# Altium PCB PCB2.PcbDoc (part 7 of 16) (continued)
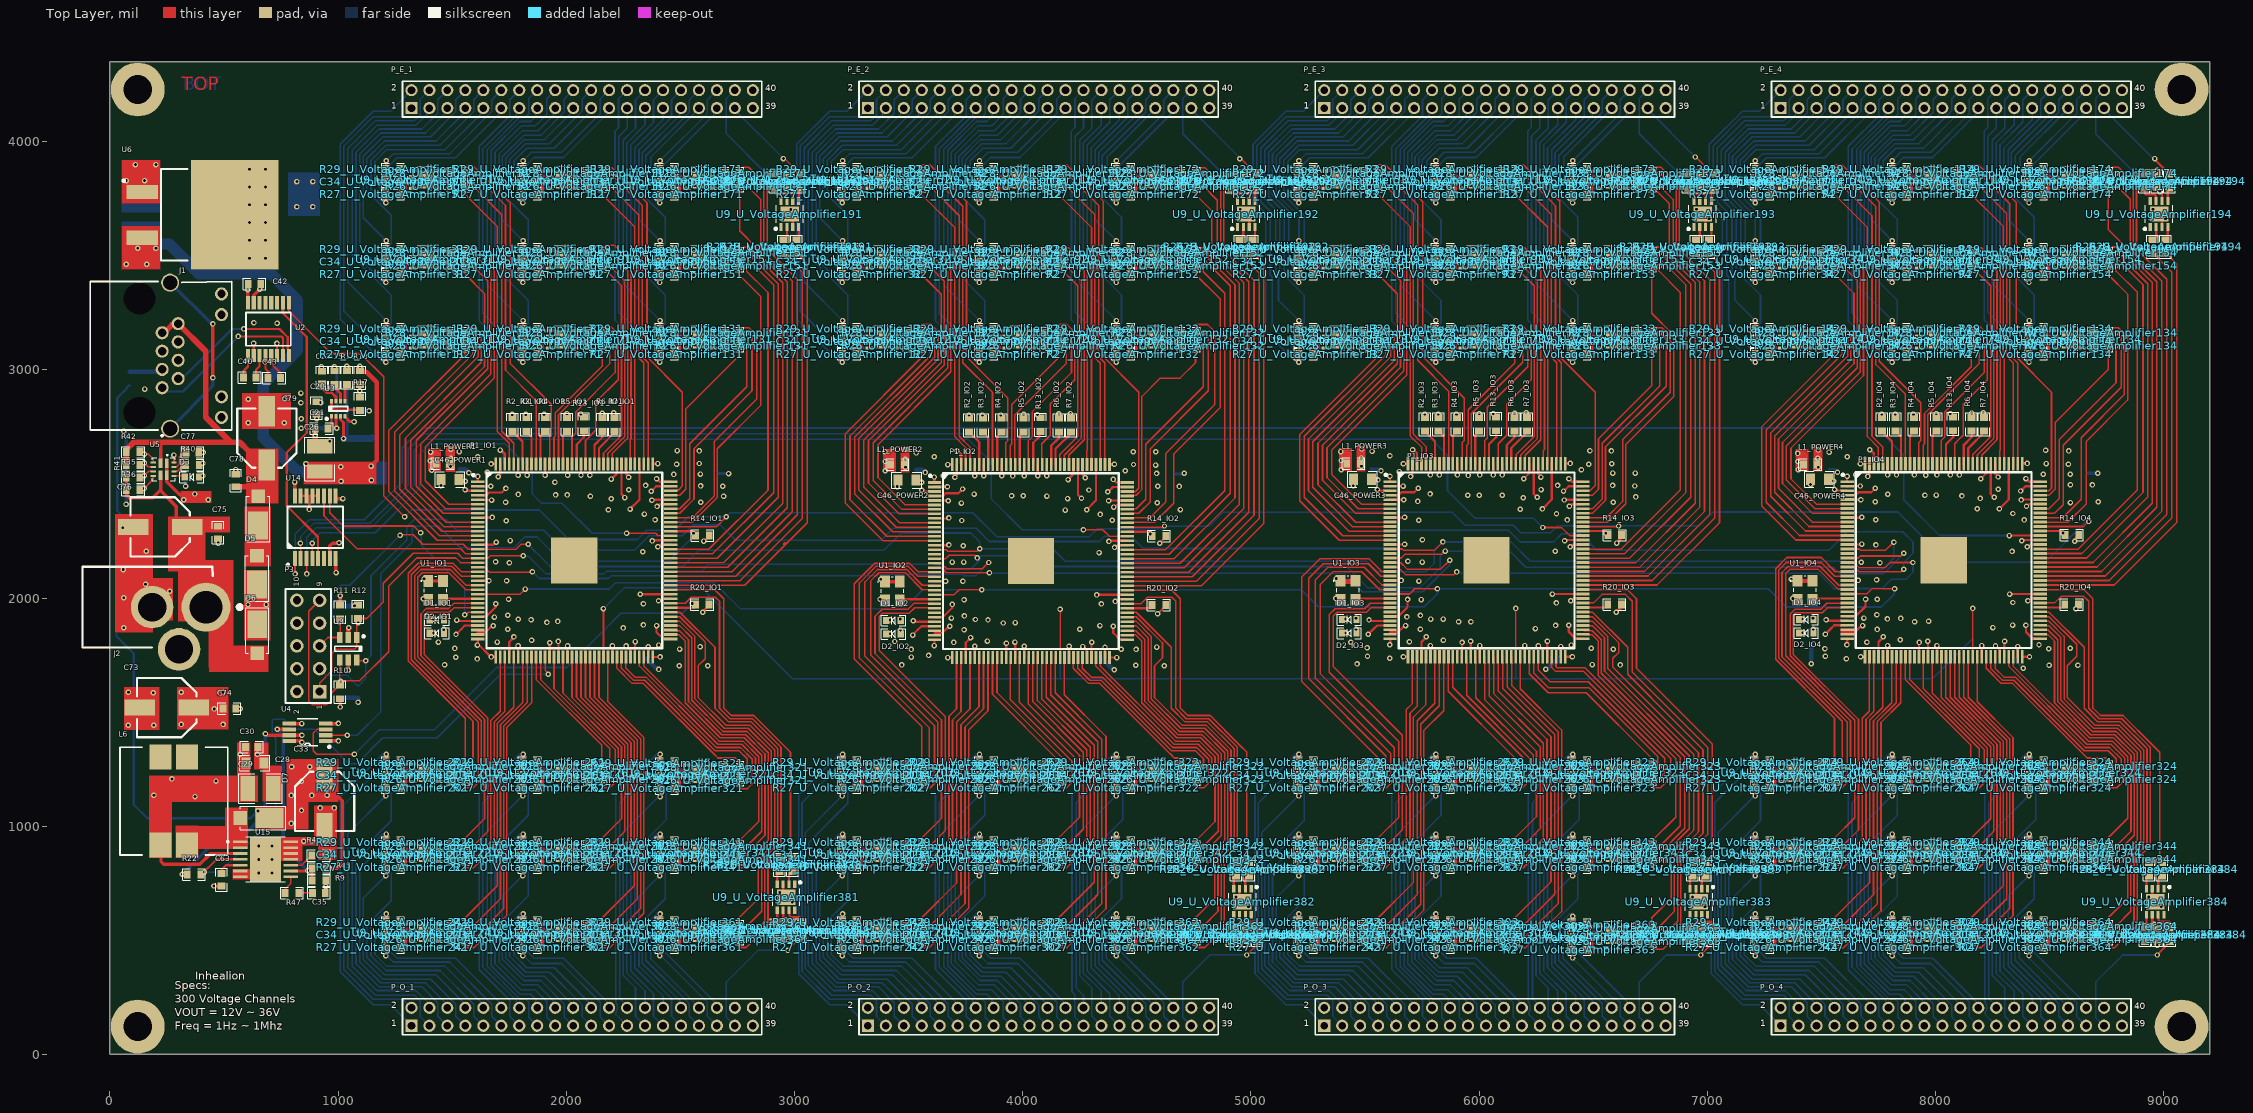
[diagram p0: Top Layer view]
## Nets (pads, with @x,y where several pads share a name; then routed paths per layer and width w, separated by ;. In a path a pad name is that pad's centre, name@x,y a point inside that pad or via, vN(x,y) a via of type N, cw(c..) or ccw(c..) an arc to the next point about the centre after c; other vN are vias at no path point) (continued)
  Bottom Layer w10: U9_U_VoltageAmplifier182.2@4641.26,3846.77 4684.18,3846.77 4697.09,3859.68 R26_U_VoltageAmplifier182.2@4697.09,3862.18
NetR26_U_VoltageAmplifier183_2: R26_U_VoltageAmplifier183.2 U9_U_VoltageAmplifier183.2 | length 63.7
  Bottom Layer w10: U9_U_VoltageAmplifier183.2@6641.26,3846.77 6684.18,3846.77 6697.09,3859.68 R26_U_VoltageAmplifier183.2@6697.09,3862.18
NetR26_U_VoltageAmplifier184_2: R26_U_VoltageAmplifier184.2 U9_U_VoltageAmplifier184.2 | length 63.7
  Bottom Layer w10: U9_U_VoltageAmplifier184.2@8641.26,3846.77 8684.18,3846.77 8697.09,3859.68 R26_U_VoltageAmplifier184.2@8697.09,3862.18
NetR26_U_VoltageAmplifier191_2: R26_U_VoltageAmplifier191.2 U9_U_VoltageAmplifier191.2 | length 63.9
  Top Layer w10: R26_U_VoltageAmplifier191.2@2950.85,3569.76 2953.35,3569.76 2966.85,3583.26 U9_U_VoltageAmplifier191.2@2966.85,3625.59
NetR26_U_VoltageAmplifier192_2: R26_U_VoltageAmplifier192.2 U9_U_VoltageAmplifier192.2 | length 63.9
  Top Layer w10: R26_U_VoltageAmplifier192.2@4950.85,3569.76 4953.35,3569.76 4966.85,3583.26 U9_U_VoltageAmplifier192.2@4966.85,3625.59
NetR26_U_VoltageAmplifier193_2: R26_U_VoltageAmplifier193.2 U9_U_VoltageAmplifier193.2 | length 63.9
  Top Layer w10: R26_U_VoltageAmplifier193.2@6950.85,3569.76 6953.35,3569.76 6966.85,3583.26 U9_U_VoltageAmplifier193.2@6966.85,3625.59
NetR26_U_VoltageAmplifier194_2: R26_U_VoltageAmplifier194.2 U9_U_VoltageAmplifier194.2 | length 63.9
  Top Layer w10: R26_U_VoltageAmplifier194.2@8950.85,3569.76 8953.35,3569.76 8966.85,3583.26 U9_U_VoltageAmplifier194.2@8966.85,3625.59
NetR26_U_VoltageAmplifier201_2: R26_U_VoltageAmplifier201.2 U9_U_VoltageAmplifier201.2 | length 63.9
  Top Layer w10: U9_U_VoltageAmplifier201.2@1441.26,1221.18 1483.59,1221.18 1497.09,1207.68 R26_U_VoltageAmplifier201.2@1497.09,1205.18
NetR26_U_VoltageAmplifier202_2: R26_U_VoltageAmplifier202.2 U9_U_VoltageAmplifier202.2 | length 63.9
  Top Layer w10: U9_U_VoltageAmplifier202.2@3441.26,1221.18 3483.59,1221.18 3497.09,1207.68 R26_U_VoltageAmplifier202.2@3497.09,1205.18
NetR26_U_VoltageAmplifier203_2: R26_U_VoltageAmplifier203.2 U9_U_VoltageAmplifier203.2 | length 63.9
  Top Layer w10: U9_U_VoltageAmplifier203.2@5441.26,1221.18 5483.59,1221.18 5497.09,1207.68 R26_U_VoltageAmplifier203.2@5497.09,1205.18
NetR26_U_VoltageAmplifier204_2: R26_U_VoltageAmplifier204.2 U9_U_VoltageAmplifier204.2 | length 63.9
  Top Layer w10: U9_U_VoltageAmplifier204.2@7441.26,1221.18 7483.59,1221.18 7497.09,1207.68 R26_U_VoltageAmplifier204.2@7497.09,1205.18
NetR26_U_VoltageAmplifier211_2: R26_U_VoltageAmplifier211.2 U9_U_VoltageAmplifier211.2 | length 63.7
  Bottom Layer w10: U9_U_VoltageAmplifier211.2@1441.26,1246.77 1484.18,1246.77 1497.09,1259.68 R26_U_VoltageAmplifier211.2@1497.09,1262.18
NetR26_U_VoltageAmplifier212_2: R26_U_VoltageAmplifier212.2 U9_U_VoltageAmplifier212.2 | length 63.7
  Bottom Layer w10: U9_U_VoltageAmplifier212.2@3441.26,1246.77 3484.18,1246.77 3497.09,1259.68 R26_U_VoltageAmplifier212.2@3497.09,1262.18
NetR26_U_VoltageAmplifier213_2: R26_U_VoltageAmplifier213.2 U9_U_VoltageAmplifier213.2 | length 63.7
  Bottom Layer w10: U9_U_VoltageAmplifier213.2@5441.26,1246.77 5484.18,1246.77 5497.09,1259.68 R26_U_VoltageAmplifier213.2@5497.09,1262.18
NetR26_U_VoltageAmplifier214_2: R26_U_VoltageAmplifier214.2 U9_U_VoltageAmplifier214.2 | length 63.7
  Bottom Layer w10: U9_U_VoltageAmplifier214.2@7441.26,1246.77 7484.18,1246.77 7497.09,1259.68 R26_U_VoltageAmplifier214.2@7497.09,1262.18
NetR26_U_VoltageAmplifier221_2: R26_U_VoltageAmplifier221.2 U9_U_VoltageAmplifier221.2 | length 63.9
  Top Layer w10: U9_U_VoltageAmplifier221.2@1441.26,871.18 1483.59,871.18 1497.09,857.68 R26_U_VoltageAmplifier221.2@1497.09,855.18
NetR26_U_VoltageAmplifier222_2: R26_U_VoltageAmplifier222.2 U9_U_VoltageAmplifier222.2 | length 63.9
  Top Layer w10: U9_U_VoltageAmplifier222.2@3441.26,871.18 3483.59,871.18 3497.09,857.68 R26_U_VoltageAmplifier222.2@3497.09,855.18
NetR26_U_VoltageAmplifier223_2: R26_U_VoltageAmplifier223.2 U9_U_VoltageAmplifier223.2 | length 63.9
  Top Layer w10: U9_U_VoltageAmplifier223.2@5441.26,871.18 5483.59,871.18 5497.09,857.68 R26_U_VoltageAmplifier223.2@5497.09,855.18
NetR26_U_VoltageAmplifier224_2: R26_U_VoltageAmplifier224.2 U9_U_VoltageAmplifier224.2 | length 63.9
  Top Layer w10: U9_U_VoltageAmplifier224.2@7441.26,871.18 7483.59,871.18 7497.09,857.68 R26_U_VoltageAmplifier224.2@7497.09,855.18
NetR26_U_VoltageAmplifier231_2: R26_U_VoltageAmplifier231.2 U9_U_VoltageAmplifier231.2 | length 63.7
  Bottom Layer w10: U9_U_VoltageAmplifier231.2@1441.26,896.77 1484.18,896.77 1497.09,909.68 R26_U_VoltageAmplifier231.2@1497.09,912.18
NetR26_U_VoltageAmplifier232_2: R26_U_VoltageAmplifier232.2 U9_U_VoltageAmplifier232.2 | length 63.7
  Bottom Layer w10: U9_U_VoltageAmplifier232.2@3441.26,896.77 3484.18,896.77 3497.09,909.68 R26_U_VoltageAmplifier232.2@3497.09,912.18
NetR26_U_VoltageAmplifier233_2: R26_U_VoltageAmplifier233.2 U9_U_VoltageAmplifier233.2 | length 63.7
  Bottom Layer w10: U9_U_VoltageAmplifier233.2@5441.26,896.77 5484.18,896.77 5497.09,909.68 R26_U_VoltageAmplifier233.2@5497.09,912.18
NetR26_U_VoltageAmplifier234_2: R26_U_VoltageAmplifier234.2 U9_U_VoltageAmplifier234.2 | length 63.7
  Bottom Layer w10: U9_U_VoltageAmplifier234.2@7441.26,896.77 7484.18,896.77 7497.09,909.68 R26_U_VoltageAmplifier234.2@7497.09,912.18
NetR26_U_VoltageAmplifier241_2: R26_U_VoltageAmplifier241.2 U9_U_VoltageAmplifier241.2 | length 63.9
  Top Layer w10: U9_U_VoltageAmplifier241.2@1441.26,521.18 1483.59,521.18 1497.09,507.68 R26_U_VoltageAmplifier241.2@1497.09,505.18
NetR26_U_VoltageAmplifier242_2: R26_U_VoltageAmplifier242.2 U9_U_VoltageAmplifier242.2 | length 63.9
  Top Layer w10: U9_U_VoltageAmplifier242.2@3441.26,521.18 3483.59,521.18 3497.09,507.68 R26_U_VoltageAmplifier242.2@3497.09,505.18
NetR26_U_VoltageAmplifier243_2: R26_U_VoltageAmplifier243.2 U9_U_VoltageAmplifier243.2 | length 63.9
  Top Layer w10: U9_U_VoltageAmplifier243.2@5441.26,521.18 5483.59,521.18 5497.09,507.68 R26_U_VoltageAmplifier243.2@5497.09,505.18
NetR26_U_VoltageAmplifier244_2: R26_U_VoltageAmplifier244.2 U9_U_VoltageAmplifier244.2 | length 63.9
  Top Layer w10: U9_U_VoltageAmplifier244.2@7441.26,521.18 7483.59,521.18 7497.09,507.68 R26_U_VoltageAmplifier244.2@7497.09,505.18
NetR26_U_VoltageAmplifier251_2: R26_U_VoltageAmplifier251.2 U9_U_VoltageAmplifier251.2 | length 63.7
  Bottom Layer w10: U9_U_VoltageAmplifier251.2@1441.26,546.77 1484.18,546.77 1497.09,559.68 R26_U_VoltageAmplifier251.2@1497.09,562.18
NetR26_U_VoltageAmplifier252_2: R26_U_VoltageAmplifier252.2 U9_U_VoltageAmplifier252.2 | length 63.7
  Bottom Layer w10: U9_U_VoltageAmplifier252.2@3441.26,546.77 3484.18,546.77 3497.09,559.68 R26_U_VoltageAmplifier252.2@3497.09,562.18
NetR26_U_VoltageAmplifier253_2: R26_U_VoltageAmplifier253.2 U9_U_VoltageAmplifier253.2 | length 63.7
  Bottom Layer w10: U9_U_VoltageAmplifier253.2@5441.26,546.77 5484.18,546.77 5497.09,559.68 R26_U_VoltageAmplifier253.2@5497.09,562.18
NetR26_U_VoltageAmplifier254_2: R26_U_VoltageAmplifier254.2 U9_U_VoltageAmplifier254.2 | length 63.7
  Bottom Layer w10: U9_U_VoltageAmplifier254.2@7441.26,546.77 7484.18,546.77 7497.09,559.68 R26_U_VoltageAmplifier254.2@7497.09,562.18
NetR26_U_VoltageAmplifier261_2: R26_U_VoltageAmplifier261.2 U9_U_VoltageAmplifier261.2 | length 63.9
  Top Layer w10: U9_U_VoltageAmplifier261.2@2041.26,1221.18 2083.59,1221.18 2097.09,1207.68 R26_U_VoltageAmplifier261.2@2097.09,1205.18
NetR26_U_VoltageAmplifier262_2: R26_U_VoltageAmplifier262.2 U9_U_VoltageAmplifier262.2 | length 63.9
  Top Layer w10: U9_U_VoltageAmplifier262.2@4041.26,1221.18 4083.59,1221.18 4097.09,1207.68 R26_U_VoltageAmplifier262.2@4097.09,1205.18
NetR26_U_VoltageAmplifier263_2: R26_U_VoltageAmplifier263.2 U9_U_VoltageAmplifier263.2 | length 63.9
  Top Layer w10: U9_U_VoltageAmplifier263.2@6041.26,1221.18 6083.59,1221.18 6097.09,1207.68 R26_U_VoltageAmplifier263.2@6097.09,1205.18
NetR26_U_VoltageAmplifier264_2: R26_U_VoltageAmplifier264.2 U9_U_VoltageAmplifier264.2 | length 63.9
  Top Layer w10: U9_U_VoltageAmplifier264.2@8041.26,1221.18 8083.59,1221.18 8097.09,1207.68 R26_U_VoltageAmplifier264.2@8097.09,1205.18
NetR26_U_VoltageAmplifier271_2: R26_U_VoltageAmplifier271.2 U9_U_VoltageAmplifier271.2 | length 63.7
  Bottom Layer w10: U9_U_VoltageAmplifier271.2@2041.26,1246.77 2084.18,1246.77 2097.09,1259.68 R26_U_VoltageAmplifier271.2@2097.09,1262.18
NetR26_U_VoltageAmplifier272_2: R26_U_VoltageAmplifier272.2 U9_U_VoltageAmplifier272.2 | length 63.7
  Bottom Layer w10: U9_U_VoltageAmplifier272.2@4041.26,1246.77 4084.18,1246.77 4097.09,1259.68 R26_U_VoltageAmplifier272.2@4097.09,1262.18
NetR26_U_VoltageAmplifier273_2: R26_U_VoltageAmplifier273.2 U9_U_VoltageAmplifier273.2 | length 63.7
  Bottom Layer w10: U9_U_VoltageAmplifier273.2@6041.26,1246.77 6084.18,1246.77 6097.09,1259.68 R26_U_VoltageAmplifier273.2@6097.09,1262.18
NetR26_U_VoltageAmplifier274_2: R26_U_VoltageAmplifier274.2 U9_U_VoltageAmplifier274.2 | length 63.7
  Bottom Layer w10: U9_U_VoltageAmplifier274.2@8041.26,1246.77 8084.18,1246.77 8097.09,1259.68 R26_U_VoltageAmplifier274.2@8097.09,1262.18
NetR26_U_VoltageAmplifier281_2: R26_U_VoltageAmplifier281.2 U9_U_VoltageAmplifier281.2 | length 63.9
  Top Layer w10: U9_U_VoltageAmplifier281.2@2041.26,871.18 2083.59,871.18 2097.09,857.68 R26_U_VoltageAmplifier281.2@2097.09,855.18
NetR26_U_VoltageAmplifier282_2: R26_U_VoltageAmplifier282.2 U9_U_VoltageAmplifier282.2 | length 63.9
  Top Layer w10: U9_U_VoltageAmplifier282.2@4041.26,871.18 4083.59,871.18 4097.09,857.68 R26_U_VoltageAmplifier282.2@4097.09,855.18
NetR26_U_VoltageAmplifier283_2: R26_U_VoltageAmplifier283.2 U9_U_VoltageAmplifier283.2 | length 63.9
  Top Layer w10: U9_U_VoltageAmplifier283.2@6041.26,871.18 6083.59,871.18 6097.09,857.68 R26_U_VoltageAmplifier283.2@6097.09,855.18
NetR26_U_VoltageAmplifier284_2: R26_U_VoltageAmplifier284.2 U9_U_VoltageAmplifier284.2 | length 63.9
  Top Layer w10: U9_U_VoltageAmplifier284.2@8041.26,871.18 8083.59,871.18 8097.09,857.68 R26_U_VoltageAmplifier284.2@8097.09,855.18
NetR26_U_VoltageAmplifier291_2: R26_U_VoltageAmplifier291.2 U9_U_VoltageAmplifier291.2 | length 63.7
  Bottom Layer w10: U9_U_VoltageAmplifier291.2@2041.26,896.77 2084.18,896.77 2097.09,909.68 R26_U_VoltageAmplifier291.2@2097.09,912.18
NetR26_U_VoltageAmplifier292_2: R26_U_VoltageAmplifier292.2 U9_U_VoltageAmplifier292.2 | length 63.7
  Bottom Layer w10: U9_U_VoltageAmplifier292.2@4041.26,896.77 4084.18,896.77 4097.09,909.68 R26_U_VoltageAmplifier292.2@4097.09,912.18
NetR26_U_VoltageAmplifier293_2: R26_U_VoltageAmplifier293.2 U9_U_VoltageAmplifier293.2 | length 63.7
  Bottom Layer w10: U9_U_VoltageAmplifier293.2@6041.26,896.77 6084.18,896.77 6097.09,909.68 R26_U_VoltageAmplifier293.2@6097.09,912.18
NetR26_U_VoltageAmplifier294_2: R26_U_VoltageAmplifier294.2 U9_U_VoltageAmplifier294.2 | length 63.7
  Bottom Layer w10: U9_U_VoltageAmplifier294.2@8041.26,896.77 8084.18,896.77 8097.09,909.68 R26_U_VoltageAmplifier294.2@8097.09,912.18
NetR26_U_VoltageAmplifier301_2: R26_U_VoltageAmplifier301.2 U9_U_VoltageAmplifier301.2 | length 63.9
  Top Layer w10: U9_U_VoltageAmplifier301.2@2041.26,521.18 2083.59,521.18 2097.09,507.68 R26_U_VoltageAmplifier301.2@2097.09,505.18
NetR26_U_VoltageAmplifier302_2: R26_U_VoltageAmplifier302.2 U9_U_VoltageAmplifier302.2 | length 63.9
  Top Layer w10: U9_U_VoltageAmplifier302.2@4041.26,521.18 4083.59,521.18 4097.09,507.68 R26_U_VoltageAmplifier302.2@4097.09,505.18
NetR26_U_VoltageAmplifier303_2: R26_U_VoltageAmplifier303.2 U9_U_VoltageAmplifier303.2 | length 63.9
  Top Layer w10: U9_U_VoltageAmplifier303.2@6041.26,521.18 6083.59,521.18 6097.09,507.68 R26_U_VoltageAmplifier303.2@6097.09,505.18
NetR26_U_VoltageAmplifier304_2: R26_U_VoltageAmplifier304.2 U9_U_VoltageAmplifier304.2 | length 63.9
  Top Layer w10: U9_U_VoltageAmplifier304.2@8041.26,521.18 8083.59,521.18 8097.09,507.68 R26_U_VoltageAmplifier304.2@8097.09,505.18
NetR26_U_VoltageAmplifier311_2: R26_U_VoltageAmplifier311.2 U9_U_VoltageAmplifier311.2 | length 63.7
  Bottom Layer w10: U9_U_VoltageAmplifier311.2@2041.26,546.77 2084.18,546.77 2097.09,559.68 R26_U_VoltageAmplifier311.2@2097.09,562.18
NetR26_U_VoltageAmplifier312_2: R26_U_VoltageAmplifier312.2 U9_U_VoltageAmplifier312.2 | length 63.7
  Bottom Layer w10: U9_U_VoltageAmplifier312.2@4041.26,546.77 4084.18,546.77 4097.09,559.68 R26_U_VoltageAmplifier312.2@4097.09,562.18
NetR26_U_VoltageAmplifier313_2: R26_U_VoltageAmplifier313.2 U9_U_VoltageAmplifier313.2 | length 63.7
  Bottom Layer w10: U9_U_VoltageAmplifier313.2@6041.26,546.77 6084.18,546.77 6097.09,559.68 R26_U_VoltageAmplifier313.2@6097.09,562.18
NetR26_U_VoltageAmplifier314_2: R26_U_VoltageAmplifier314.2 U9_U_VoltageAmplifier314.2 | length 63.7
  Bottom Layer w10: U9_U_VoltageAmplifier314.2@8041.26,546.77 8084.18,546.77 8097.09,559.68 R26_U_VoltageAmplifier314.2@8097.09,562.18
NetR26_U_VoltageAmplifier321_2: R26_U_VoltageAmplifier321.2 U9_U_VoltageAmplifier321.2 | length 63.9
  Top Layer w10: U9_U_VoltageAmplifier321.2@2642.43,1217.59 2684.76,1217.59 2698.26,1204.09 R26_U_VoltageAmplifier321.2@2698.26,1201.59
NetR26_U_VoltageAmplifier322_2: R26_U_VoltageAmplifier322.2 U9_U_VoltageAmplifier322.2 | length 63.9
  Top Layer w10: U9_U_VoltageAmplifier322.2@4641.26,1221.18 4683.59,1221.18 4697.09,1207.68 R26_U_VoltageAmplifier322.2@4697.09,1205.18
NetR26_U_VoltageAmplifier323_2: R26_U_VoltageAmplifier323.2 U9_U_VoltageAmplifier323.2 | length 63.9
  Top Layer w10: U9_U_VoltageAmplifier323.2@6641.26,1221.18 6683.59,1221.18 6697.09,1207.68 R26_U_VoltageAmplifier323.2@6697.09,1205.18
NetR26_U_VoltageAmplifier324_2: R26_U_VoltageAmplifier324.2 U9_U_VoltageAmplifier324.2 | length 63.9
  Top Layer w10: U9_U_VoltageAmplifier324.2@8641.26,1221.18 8683.59,1221.18 8697.09,1207.68 R26_U_VoltageAmplifier324.2@8697.09,1205.18
NetR26_U_VoltageAmplifier331_2: R26_U_VoltageAmplifier331.2 U9_U_VoltageAmplifier331.2 | length 63.7
  Bottom Layer w10: U9_U_VoltageAmplifier331.2@2642.43,1243.18 2685.35,1243.18 2698.26,1256.09 R26_U_VoltageAmplifier331.2@2698.26,1258.59
NetR26_U_VoltageAmplifier332_2: R26_U_VoltageAmplifier332.2 U9_U_VoltageAmplifier332.2 | length 63.7
  Bottom Layer w10: U9_U_VoltageAmplifier332.2@4641.26,1246.77 4684.18,1246.77 4697.09,1259.68 R26_U_VoltageAmplifier332.2@4697.09,1262.18
NetR26_U_VoltageAmplifier333_2: R26_U_VoltageAmplifier333.2 U9_U_VoltageAmplifier333.2 | length 63.7
  Bottom Layer w10: U9_U_VoltageAmplifier333.2@6641.26,1246.77 6684.18,1246.77 6697.09,1259.68 R26_U_VoltageAmplifier333.2@6697.09,1262.18
NetR26_U_VoltageAmplifier334_2: R26_U_VoltageAmplifier334.2 U9_U_VoltageAmplifier334.2 | length 63.7
  Bottom Layer w10: U9_U_VoltageAmplifier334.2@8641.26,1246.77 8684.18,1246.77 8697.09,1259.68 R26_U_VoltageAmplifier334.2@8697.09,1262.18
NetR26_U_VoltageAmplifier341_2: R26_U_VoltageAmplifier341.2 U9_U_VoltageAmplifier341.2 | length 63.9
  Top Layer w10: U9_U_VoltageAmplifier341.2@2641.26,871.18 2683.59,871.18 2697.09,857.68 R26_U_VoltageAmplifier341.2@2697.09,855.18
NetR26_U_VoltageAmplifier342_2: R26_U_VoltageAmplifier342.2 U9_U_VoltageAmplifier342.2 | length 63.9
  Top Layer w10: U9_U_VoltageAmplifier342.2@4641.26,871.18 4683.59,871.18 4697.09,857.68 R26_U_VoltageAmplifier342.2@4697.09,855.18
NetR26_U_VoltageAmplifier343_2: R26_U_VoltageAmplifier343.2 U9_U_VoltageAmplifier343.2 | length 63.9
  Top Layer w10: U9_U_VoltageAmplifier343.2@6641.26,871.18 6683.59,871.18 6697.09,857.68 R26_U_VoltageAmplifier343.2@6697.09,855.18
NetR26_U_VoltageAmplifier344_2: R26_U_VoltageAmplifier344.2 U9_U_VoltageAmplifier344.2 | length 63.9
  Top Layer w10: U9_U_VoltageAmplifier344.2@8641.26,871.18 8683.59,871.18 8697.09,857.68 R26_U_VoltageAmplifier344.2@8697.09,855.18
NetR26_U_VoltageAmplifier351_2: R26_U_VoltageAmplifier351.2 U9_U_VoltageAmplifier351.2 | length 63.7
  Bottom Layer w10: U9_U_VoltageAmplifier351.2@2641.26,896.77 2684.18,896.77 2697.09,909.68 R26_U_VoltageAmplifier351.2@2697.09,912.18
NetR26_U_VoltageAmplifier352_2: R26_U_VoltageAmplifier352.2 U9_U_VoltageAmplifier352.2 | length 63.7
  Bottom Layer w10: U9_U_VoltageAmplifier352.2@4641.26,896.77 4684.18,896.77 4697.09,909.68 R26_U_VoltageAmplifier352.2@4697.09,912.18
NetR26_U_VoltageAmplifier353_2: R26_U_VoltageAmplifier353.2 U9_U_VoltageAmplifier353.2 | length 63.7
  Bottom Layer w10: U9_U_VoltageAmplifier353.2@6641.26,896.77 6684.18,896.77 6697.09,909.68 R26_U_VoltageAmplifier353.2@6697.09,912.18
NetR26_U_VoltageAmplifier354_2: R26_U_VoltageAmplifier354.2 U9_U_VoltageAmplifier354.2 | length 63.7
  Bottom Layer w10: U9_U_VoltageAmplifier354.2@8641.26,896.77 8684.18,896.77 8697.09,909.68 R26_U_VoltageAmplifier354.2@8697.09,912.18
NetR26_U_VoltageAmplifier361_2: R26_U_VoltageAmplifier361.2 U9_U_VoltageAmplifier361.2 | length 63.9
  Top Layer w10: U9_U_VoltageAmplifier361.2@2641.26,521.18 2683.59,521.18 2697.09,507.68 R26_U_VoltageAmplifier361.2@2697.09,505.18
NetR26_U_VoltageAmplifier362_2: R26_U_VoltageAmplifier362.2 U9_U_VoltageAmplifier362.2 | length 63.9
  Top Layer w10: U9_U_VoltageAmplifier362.2@4641.26,521.18 4683.59,521.18 4697.09,507.68 R26_U_VoltageAmplifier362.2@4697.09,505.18
NetR26_U_VoltageAmplifier363_2: R26_U_VoltageAmplifier363.2 U9_U_VoltageAmplifier363.2 | length 63.9
  Top Layer w10: U9_U_VoltageAmplifier363.2@6641.26,511.18 6683.59,511.18 6697.09,497.68 R26_U_VoltageAmplifier363.2@6697.09,495.18
NetR26_U_VoltageAmplifier364_2: R26_U_VoltageAmplifier364.2 U9_U_VoltageAmplifier364.2 | length 63.9
  Top Layer w10: U9_U_VoltageAmplifier364.2@8641.26,521.18 8683.59,521.18 8697.09,507.68 R26_U_VoltageAmplifier364.2@8697.09,505.18
NetR26_U_VoltageAmplifier371_2: R26_U_VoltageAmplifier371.2 U9_U_VoltageAmplifier371.2 | length 63.7
  Bottom Layer w10: U9_U_VoltageAmplifier371.2@2641.26,546.77 2684.18,546.77 2697.09,559.68 R26_U_VoltageAmplifier371.2@2697.09,562.18
NetR26_U_VoltageAmplifier372_2: R26_U_VoltageAmplifier372.2 U9_U_VoltageAmplifier372.2 | length 63.7
  Bottom Layer w10: U9_U_VoltageAmplifier372.2@4641.26,546.77 4684.18,546.77 4697.09,559.68 R26_U_VoltageAmplifier372.2@4697.09,562.18
NetR26_U_VoltageAmplifier373_2: R26_U_VoltageAmplifier373.2 U9_U_VoltageAmplifier373.2 | length 63.7
  Bottom Layer w10: U9_U_VoltageAmplifier373.2@6641.26,536.77 6684.18,536.77 6697.09,549.68 R26_U_VoltageAmplifier373.2@6697.09,552.18
NetR26_U_VoltageAmplifier374_2: R26_U_VoltageAmplifier374.2 U9_U_VoltageAmplifier374.2 | length 63.7
  Bottom Layer w10: U9_U_VoltageAmplifier374.2@8641.26,546.77 8684.18,546.77 8697.09,559.68 R26_U_VoltageAmplifier374.2@8697.09,562.18
NetR26_U_VoltageAmplifier381_2: R26_U_VoltageAmplifier381.2 U9_U_VoltageAmplifier381.2 | length 63.9
  Top Layer w10: U9_U_VoltageAmplifier381.2@2975.67,745.59 2975.67,787.92 2989.17,801.42 R26_U_VoltageAmplifier381.2@2991.67,801.42
NetR26_U_VoltageAmplifier382_2: R26_U_VoltageAmplifier382.2 U9_U_VoltageAmplifier382.2 | length 63.9
  Top Layer w10: U9_U_VoltageAmplifier382.2@4975.67,725.59 4975.67,767.92 4989.17,781.42 R26_U_VoltageAmplifier382.2@4991.67,781.42
NetR26_U_VoltageAmplifier383_2: R26_U_VoltageAmplifier383.2 U9_U_VoltageAmplifier383.2 | length 63.9
  Top Layer w10: U9_U_VoltageAmplifier383.2@6975.67,725.59 6975.67,767.92 6989.17,781.42 R26_U_VoltageAmplifier383.2@6991.67,781.42
NetR26_U_VoltageAmplifier384_2: R26_U_VoltageAmplifier384.2 U9_U_VoltageAmplifier384.2 | length 63.9
  Top Layer w10: U9_U_VoltageAmplifier384.2@8975.67,725.59 8975.67,767.92 8989.17,781.42 R26_U_VoltageAmplifier384.2@8991.67,781.42
NetR27_U_VoltageAmplifier11_1: R27_U_VoltageAmplifier11.1 U9_U_VoltageAmplifier11.7 | length 101
  Top Layer w10: R27_U_VoltageAmplifier11.1@1270.09,3069.18 1273.09,3072.18 1294.23,3072.18 1297.09,3075.04 1297.09,3113.43 1302.94,3119.29 1325.2,3119.29 U9_U_VoltageAmplifier11.7@1327.09,3121.18
NetR27_U_VoltageAmplifier12_1: R27_U_VoltageAmplifier12.1 U9_U_VoltageAmplifier12.7 | length 101
  Top Layer w10: R27_U_VoltageAmplifier12.1@3270.09,3069.18 3273.09,3072.18 3294.23,3072.18 3297.09,3075.04 3297.09,3113.43 3302.94,3119.29 3325.2,3119.29 U9_U_VoltageAmplifier12.7@3327.09,3121.18
NetR27_U_VoltageAmplifier13_1: R27_U_VoltageAmplifier13.1 U9_U_VoltageAmplifier13.7 | length 101
  Top Layer w10: R27_U_VoltageAmplifier13.1@5270.09,3069.18 5273.09,3072.18 5294.23,3072.18 5297.09,3075.04 5297.09,3113.43 5302.94,3119.29 5325.2,3119.29 U9_U_VoltageAmplifier13.7@5327.09,3121.18
NetR27_U_VoltageAmplifier14_1: R27_U_VoltageAmplifier14.1 U9_U_VoltageAmplifier14.7 | length 101
  Top Layer w10: R27_U_VoltageAmplifier14.1@7270.09,3069.18 7273.09,3072.18 7294.23,3072.18 7297.09,3075.04 7297.09,3113.43 7302.94,3119.29 7325.2,3119.29 U9_U_VoltageAmplifier14.7@7327.09,3121.18
NetR27_U_VoltageAmplifier21_1: R27_U_VoltageAmplifier21.1 U9_U_VoltageAmplifier21.7 | length 71.9
  Bottom Layer w10: R27_U_VoltageAmplifier21.1@1270.09,3179.18 1270.09,3176.68 1280.09,3166.68 1290.53,3166.68 1308.55,3148.66 1325.2,3148.66 U9_U_VoltageAmplifier21.7@1327.09,3146.77
NetR27_U_VoltageAmplifier22_1: R27_U_VoltageAmplifier22.1 U9_U_VoltageAmplifier22.7 | length 71.9
  Bottom Layer w10: R27_U_VoltageAmplifier22.1@3270.09,3179.18 3270.09,3176.68 3280.09,3166.68 3290.53,3166.68 3308.55,3148.66 3325.2,3148.66 U9_U_VoltageAmplifier22.7@3327.09,3146.77
NetR27_U_VoltageAmplifier23_1: R27_U_VoltageAmplifier23.1 U9_U_VoltageAmplifier23.7 | length 71.9
  Bottom Layer w10: R27_U_VoltageAmplifier23.1@5270.09,3179.18 5270.09,3176.68 5280.09,3166.68 5290.53,3166.68 5308.55,3148.66 5325.2,3148.66 U9_U_VoltageAmplifier23.7@5327.09,3146.77
NetR27_U_VoltageAmplifier24_1: R27_U_VoltageAmplifier24.1 U9_U_VoltageAmplifier24.7 | length 71.9
  Bottom Layer w10: R27_U_VoltageAmplifier24.1@7270.09,3179.18 7270.09,3176.68 7280.09,3166.68 7290.53,3166.68 7308.55,3148.66 7325.2,3148.66 U9_U_VoltageAmplifier24.7@7327.09,3146.77
NetR27_U_VoltageAmplifier31_1: R27_U_VoltageAmplifier31.1 U9_U_VoltageAmplifier31.7 | length 101
  Top Layer w10: R27_U_VoltageAmplifier31.1@1270.09,3419.18 1273.09,3422.18 1294.23,3422.18 1297.09,3425.04 1297.09,3463.43 1302.94,3469.29 1325.2,3469.29 U9_U_VoltageAmplifier31.7@1327.09,3471.18
NetR27_U_VoltageAmplifier32_1: R27_U_VoltageAmplifier32.1 U9_U_VoltageAmplifier32.7 | length 101
  Top Layer w10: R27_U_VoltageAmplifier32.1@3270.09,3419.18 3273.09,3422.18 3294.23,3422.18 3297.09,3425.04 3297.09,3463.43 3302.94,3469.29 3325.2,3469.29 U9_U_VoltageAmplifier32.7@3327.09,3471.18
NetR27_U_VoltageAmplifier33_1: R27_U_VoltageAmplifier33.1 U9_U_VoltageAmplifier33.7 | length 101
  Top Layer w10: R27_U_VoltageAmplifier33.1@5270.09,3419.18 5273.09,3422.18 5294.23,3422.18 5297.09,3425.04 5297.09,3463.43 5302.94,3469.29 5325.2,3469.29 U9_U_VoltageAmplifier33.7@5327.09,3471.18
NetR27_U_VoltageAmplifier34_1: R27_U_VoltageAmplifier34.1 U9_U_VoltageAmplifier34.7 | length 101
  Top Layer w10: R27_U_VoltageAmplifier34.1@7270.09,3419.18 7273.09,3422.18 7294.23,3422.18 7297.09,3425.04 7297.09,3463.43 7302.94,3469.29 7325.2,3469.29 U9_U_VoltageAmplifier34.7@7327.09,3471.18
NetR27_U_VoltageAmplifier41_1: R27_U_VoltageAmplifier41.1 U9_U_VoltageAmplifier41.7 | length 71.9
  Bottom Layer w10: R27_U_VoltageAmplifier41.1@1270.09,3529.18 1270.09,3526.68 1280.09,3516.68 1290.53,3516.68 1308.55,3498.66 1325.2,3498.66 U9_U_VoltageAmplifier41.7@1327.09,3496.77
NetR27_U_VoltageAmplifier42_1: R27_U_VoltageAmplifier42.1 U9_U_VoltageAmplifier42.7 | length 71.9
  Bottom Layer w10: R27_U_VoltageAmplifier42.1@3270.09,3529.18 3270.09,3526.68 3280.09,3516.68 3290.53,3516.68 3308.55,3498.66 3325.2,3498.66 U9_U_VoltageAmplifier42.7@3327.09,3496.77
NetR27_U_VoltageAmplifier43_1: R27_U_VoltageAmplifier43.1 U9_U_VoltageAmplifier43.7 | length 71.9
  Bottom Layer w10: R27_U_VoltageAmplifier43.1@5270.09,3529.18 5270.09,3526.68 5280.09,3516.68 5290.53,3516.68 5308.55,3498.66 5325.2,3498.66 U9_U_VoltageAmplifier43.7@5327.09,3496.77
NetR27_U_VoltageAmplifier44_1: R27_U_VoltageAmplifier44.1 U9_U_VoltageAmplifier44.7 | length 71.9
  Bottom Layer w10: R27_U_VoltageAmplifier44.1@7270.09,3529.18 7270.09,3526.68 7280.09,3516.68 7290.53,3516.68 7308.55,3498.66 7325.2,3498.66 U9_U_VoltageAmplifier44.7@7327.09,3496.77
NetR27_U_VoltageAmplifier51_1: R27_U_VoltageAmplifier51.1 U9_U_VoltageAmplifier51.7 | length 101
  Top Layer w10: R27_U_VoltageAmplifier51.1@1270.09,3769.18 1273.09,3772.18 1294.23,3772.18 1297.09,3775.04 1297.09,3813.43 1302.94,3819.29 1325.2,3819.29 U9_U_VoltageAmplifier51.7@1327.09,3821.18
NetR27_U_VoltageAmplifier52_1: R27_U_VoltageAmplifier52.1 U9_U_VoltageAmplifier52.7 | length 101
  Top Layer w10: R27_U_VoltageAmplifier52.1@3270.09,3769.18 3273.09,3772.18 3294.23,3772.18 3297.09,3775.04 3297.09,3813.43 3302.94,3819.29 3325.2,3819.29 U9_U_VoltageAmplifier52.7@3327.09,3821.18
NetR27_U_VoltageAmplifier53_1: R27_U_VoltageAmplifier53.1 U9_U_VoltageAmplifier53.7 | length 101
  Top Layer w10: R27_U_VoltageAmplifier53.1@5270.09,3769.18 5273.09,3772.18 5294.23,3772.18 5297.09,3775.04 5297.09,3813.43 5302.94,3819.29 5325.2,3819.29 U9_U_VoltageAmplifier53.7@5327.09,3821.18
NetR27_U_VoltageAmplifier54_1: R27_U_VoltageAmplifier54.1 U9_U_VoltageAmplifier54.7 | length 101
  Top Layer w10: R27_U_VoltageAmplifier54.1@7270.09,3769.18 7273.09,3772.18 7294.23,3772.18 7297.09,3775.04 7297.09,3813.43 7302.94,3819.29 7325.2,3819.29 U9_U_VoltageAmplifier54.7@7327.09,3821.18
NetR27_U_VoltageAmplifier61_1: R27_U_VoltageAmplifier61.1 U9_U_VoltageAmplifier61.7 | length 71.9
  Bottom Layer w10: R27_U_VoltageAmplifier61.1@1270.09,3879.18 1270.09,3876.68 1280.09,3866.68 1290.53,3866.68 1308.55,3848.66 1325.2,3848.66 U9_U_VoltageAmplifier61.7@1327.09,3846.77
NetR27_U_VoltageAmplifier62_1: R27_U_VoltageAmplifier62.1 U9_U_VoltageAmplifier62.7 | length 71.9
  Bottom Layer w10: R27_U_VoltageAmplifier62.1@3270.09,3879.18 3270.09,3876.68 3280.09,3866.68 3290.53,3866.68 3308.55,3848.66 3325.2,3848.66 U9_U_VoltageAmplifier62.7@3327.09,3846.77
NetR27_U_VoltageAmplifier63_1: R27_U_VoltageAmplifier63.1 U9_U_VoltageAmplifier63.7 | length 71.9
  Bottom Layer w10: R27_U_VoltageAmplifier63.1@5270.09,3879.18 5270.09,3876.68 5280.09,3866.68 5290.53,3866.68 5308.55,3848.66 5325.2,3848.66 U9_U_VoltageAmplifier63.7@5327.09,3846.77
NetR27_U_VoltageAmplifier64_1: R27_U_VoltageAmplifier64.1 U9_U_VoltageAmplifier64.7 | length 71.9
  Bottom Layer w10: R27_U_VoltageAmplifier64.1@7270.09,3879.18 7270.09,3876.68 7280.09,3866.68 7290.53,3866.68 7308.55,3848.66 7325.2,3848.66 U9_U_VoltageAmplifier64.7@7327.09,3846.77
NetR27_U_VoltageAmplifier71_1: R27_U_VoltageAmplifier71.1 U9_U_VoltageAmplifier71.7 | length 101
  Top Layer w10: R27_U_VoltageAmplifier71.1@1870.09,3069.18 1873.09,3072.18 1894.23,3072.18 1897.09,3075.04 1897.09,3113.43 1902.94,3119.29 1925.2,3119.29 U9_U_VoltageAmplifier71.7@1927.09,3121.18
NetR27_U_VoltageAmplifier72_1: R27_U_VoltageAmplifier72.1 U9_U_VoltageAmplifier72.7 | length 101
  Top Layer w10: R27_U_VoltageAmplifier72.1@3870.09,3069.18 3873.09,3072.18 3894.23,3072.18 3897.09,3075.04 3897.09,3113.43 3902.94,3119.29 3925.2,3119.29 U9_U_VoltageAmplifier72.7@3927.09,3121.18
NetR27_U_VoltageAmplifier73_1: R27_U_VoltageAmplifier73.1 U9_U_VoltageAmplifier73.7 | length 101
  Top Layer w10: R27_U_VoltageAmplifier73.1@5870.09,3069.18 5873.09,3072.18 5894.23,3072.18 5897.09,3075.04 5897.09,3113.43 5902.94,3119.29 5925.2,3119.29 U9_U_VoltageAmplifier73.7@5927.09,3121.18